# Altium PCB PCB5.PcbDoc (part 9 of 16)
Units mil, origin at the board's own origin, x right, y up, seen from the top; angles counter-clockwise.
Board outline 9210.27 x 4350.4 mil, 4 copper layers (Top Layer, Layer 1, Layer 2, Bottom Layer), stack 23.756 mil thick; 1550 components, 1731 nets, 5196 pads, 1890 vias.
Unrouted connection lines stored in the file: 2462.
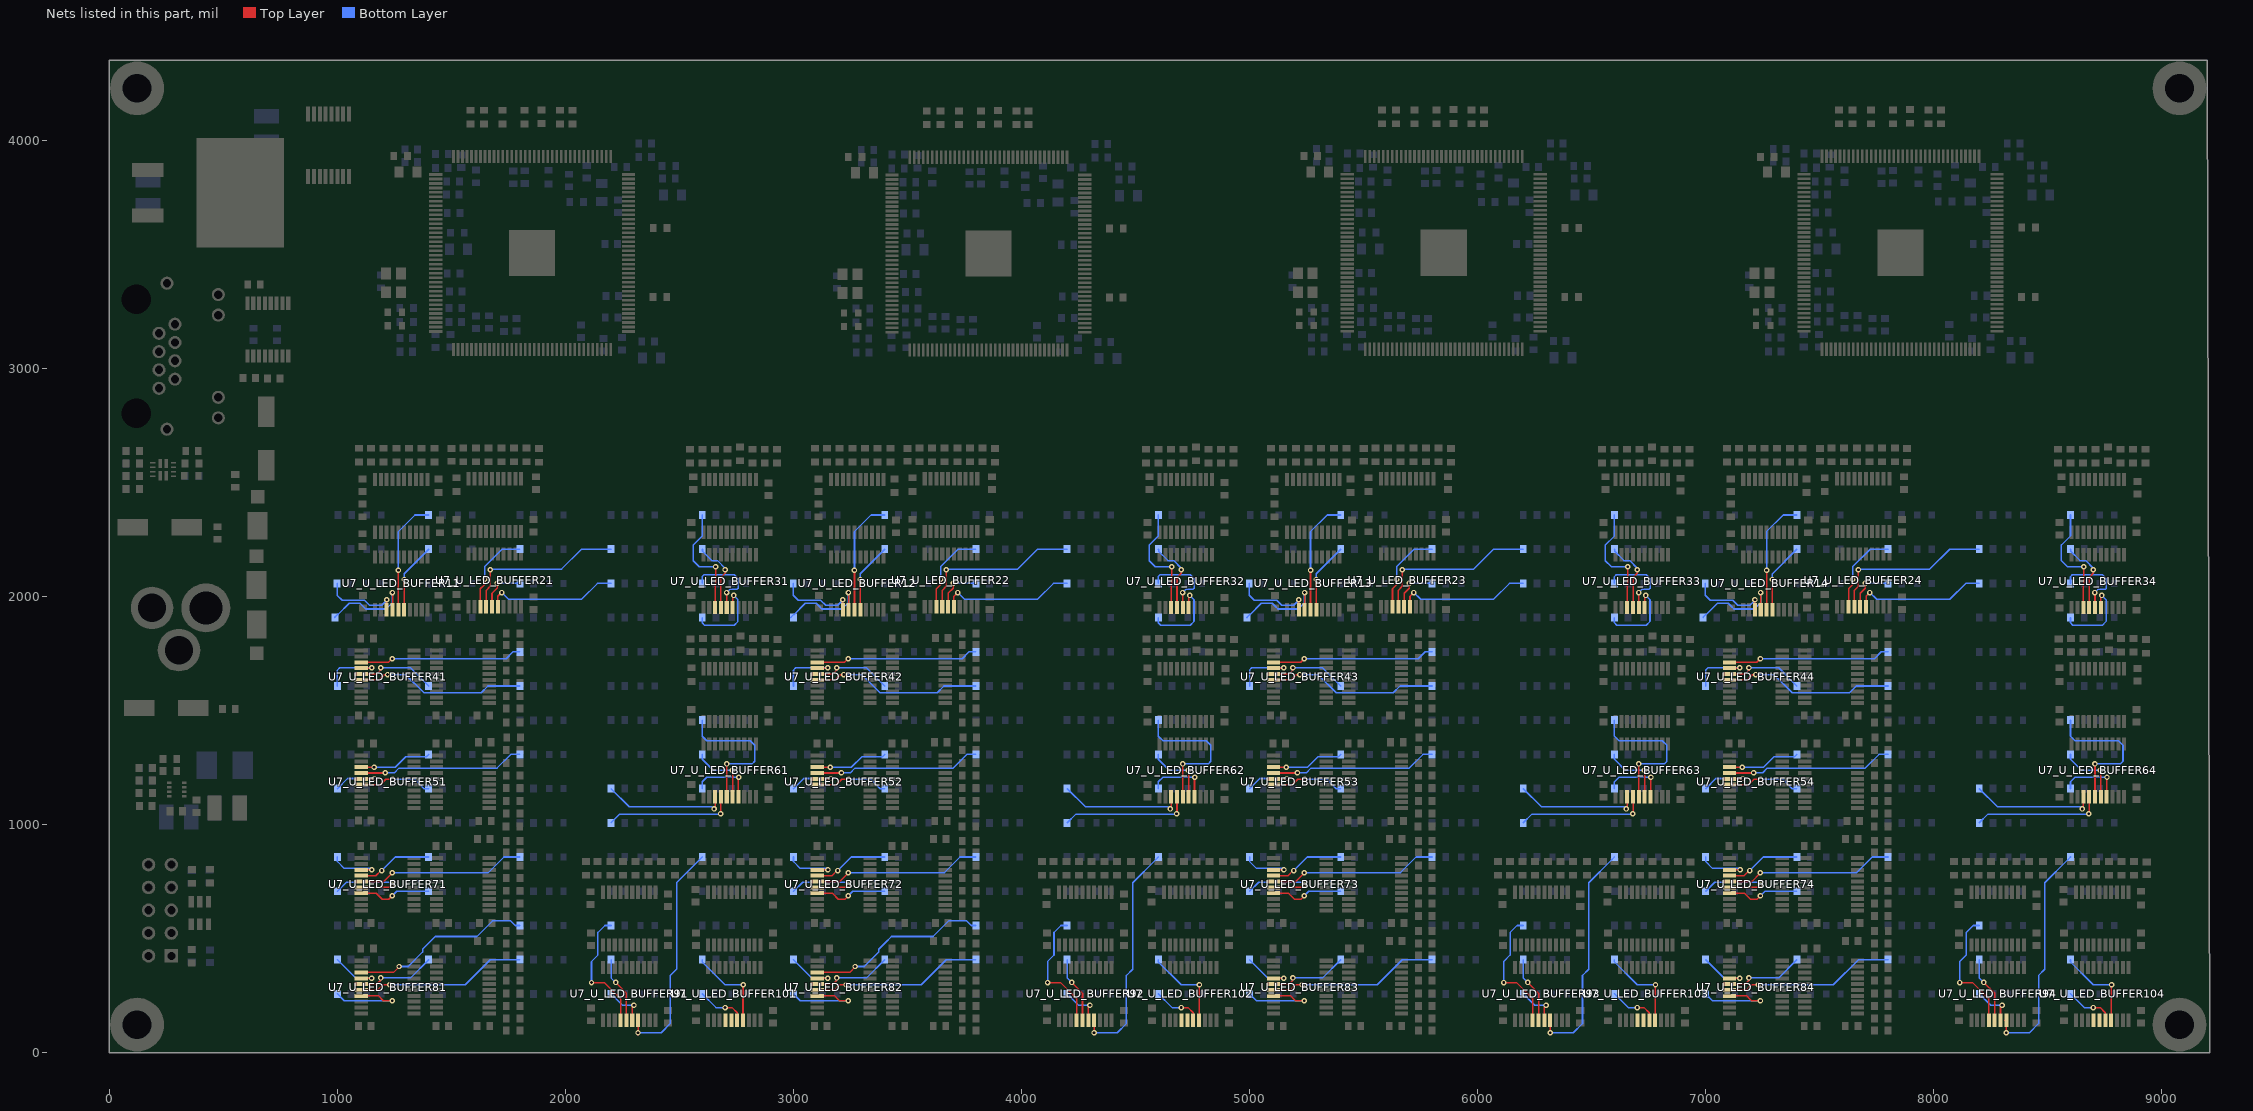
[diagram p11: the nets of this part, all layers, seen from the top]

## Via types
v1: diameter 24, hole 12, Top Layer to Bottom Layer, tented both sides, 1882 vias
v2: diameter 24, hole 12, Top Layer to Bottom Layer, 8 vias

## Nets (pads, with @x,y where several pads share a name; then routed paths per layer and width w, separated by ;. In a path a pad name is that pad's centre, name@x,y a point inside that pad or via, vN(x,y) a via of type N, cw(c..) or ccw(c..) an arc to the next point about the centre after c; other vN are vias at no path point) (continued)
L_OUT2_U_LED_BUFFER61: R17_U_LED_BUFFER61.2 U7_U_LED_BUFFER61.17 | length 284.5
  Top Layer w7: v1@2756.81,1206.78 2759.02,1204.57 U7_U_LED_BUFFER61.17@2759.02,1121.5
  Bottom Layer w7: R17_U_LED_BUFFER61.2@2600.63,1157.16 2600.63,1187.16 2620.63,1207.16 v1(2760.63,1207.16)
L_OUT2_U_LED_BUFFER62: R17_U_LED_BUFFER62.2 U7_U_LED_BUFFER62.17 | length 284.5
  Top Layer w7: v1@4756.81,1206.78 4759.02,1204.57 U7_U_LED_BUFFER62.17@4759.02,1121.5
  Bottom Layer w7: R17_U_LED_BUFFER62.2@4600.63,1157.16 4600.63,1187.16 4620.63,1207.16 v1(4760.63,1207.16)
L_OUT2_U_LED_BUFFER63: R17_U_LED_BUFFER63.2 U7_U_LED_BUFFER63.17 | length 284.5
  Top Layer w7: v1@6756.81,1206.78 6759.02,1204.57 U7_U_LED_BUFFER63.17@6759.02,1121.5
  Bottom Layer w7: R17_U_LED_BUFFER63.2@6600.63,1157.16 6600.63,1187.16 6620.63,1207.16 v1(6760.63,1207.16)
L_OUT2_U_LED_BUFFER64: R17_U_LED_BUFFER64.2 U7_U_LED_BUFFER64.17 | length 284.5
  Top Layer w7: v1@8756.81,1206.78 8759.02,1204.57 U7_U_LED_BUFFER64.17@8759.02,1121.5
  Bottom Layer w7: R17_U_LED_BUFFER64.2@8600.63,1157.16 8600.63,1187.16 8620.63,1207.16 v1(8760.63,1207.16)
L_OUT2_U_LED_BUFFER71: R17_U_LED_BUFFER71.2 U7_U_LED_BUFFER71.17 | length 320.8
  Top Layer w7: U7_U_LED_BUFFER71.17@1104.96,698.78 1171.18,698.78 1197.35,672.61 1226.07,672.61 v1(1240.63,687.16)
  Bottom Layer w7: v1(1240.63,687.16) 1260.63,707.16 R17_U_LED_BUFFER71.2@1400.63,707.16
L_OUT2_U_LED_BUFFER72: R17_U_LED_BUFFER72.2 U7_U_LED_BUFFER72.17 | length 320.8
  Top Layer w7: U7_U_LED_BUFFER72.17@3104.96,698.78 3171.18,698.78 3197.35,672.61 3226.07,672.61 v1(3240.63,687.16)
  Bottom Layer w7: v1(3240.63,687.16) 3260.63,707.16 R17_U_LED_BUFFER72.2@3400.63,707.16
L_OUT2_U_LED_BUFFER73: R17_U_LED_BUFFER73.2 U7_U_LED_BUFFER73.17 | length 320.8
  Top Layer w7: U7_U_LED_BUFFER73.17@5104.96,698.78 5171.18,698.78 5197.35,672.61 5226.07,672.61 v1(5240.63,687.16)
  Bottom Layer w7: v1(5240.63,687.16) 5260.63,707.16 R17_U_LED_BUFFER73.2@5400.63,707.16
L_OUT2_U_LED_BUFFER74: R17_U_LED_BUFFER74.2 U7_U_LED_BUFFER74.17 | length 320.8
  Top Layer w7: U7_U_LED_BUFFER74.17@7104.96,698.78 7171.18,698.78 7197.35,672.61 7226.07,672.61 v1(7240.63,687.16)
  Bottom Layer w7: v1(7240.63,687.16) 7260.63,707.16 R17_U_LED_BUFFER74.2@7400.63,707.16
L_OUT2_U_LED_BUFFER81: R17_U_LED_BUFFER81.2 U7_U_LED_BUFFER81.17 | length 397
  Top Layer w7: U7_U_LED_BUFFER81.17@1104.96,248.78 1180.36,248.78 1201.98,227.16 v1(1240.63,227.16)
  Bottom Layer w7: R17_U_LED_BUFFER81.2@1000.63,257.16 1030.63,227.16 v1(1240.63,227.16)
L_OUT2_U_LED_BUFFER82: R17_U_LED_BUFFER82.2 U7_U_LED_BUFFER82.17 | length 397
  Top Layer w7: U7_U_LED_BUFFER82.17@3104.96,248.78 3180.36,248.78 3201.98,227.16 v1(3240.63,227.16)
  Bottom Layer w7: R17_U_LED_BUFFER82.2@3000.63,257.16 3030.63,227.16 v1(3240.63,227.16)
L_OUT2_U_LED_BUFFER83: R17_U_LED_BUFFER83.2 U7_U_LED_BUFFER83.17 | length 397
  Top Layer w7: U7_U_LED_BUFFER83.17@5104.96,248.78 5180.36,248.78 5201.98,227.16 v1(5240.63,227.16)
  Bottom Layer w7: R17_U_LED_BUFFER83.2@5000.63,257.16 5030.63,227.16 v1(5240.63,227.16)
L_OUT2_U_LED_BUFFER84: R17_U_LED_BUFFER84.2 U7_U_LED_BUFFER84.17 | length 397
  Top Layer w7: U7_U_LED_BUFFER84.17@7104.96,248.78 7180.36,248.78 7201.98,227.16 v1(7240.63,227.16)
  Bottom Layer w7: R17_U_LED_BUFFER84.2@7000.63,257.16 7030.63,227.16 v1(7240.63,227.16)
L_OUT2_U_LED_BUFFER91: R17_U_LED_BUFFER91.2 U7_U_LED_BUFFER91.17 | length 1023.9
  Top Layer w7: U7_U_LED_BUFFER91.17@2312.79,141.5 U7_U_LED_BUFFER91.17@2319.02,141.5 2319.02,78.78 2318.68,79.11 v1(2318.68,86.98)
  Bottom Layer w7: v1(2318.68,86.98) 2420.44,86.98 2460.63,127.16 2460.63,337.64 2487.82,364.83 2487.82,744.35 2589.94,846.47 R17_U_LED_BUFFER91.2@2600.63,857.16
L_OUT2_U_LED_BUFFER92: R17_U_LED_BUFFER92.2 U7_U_LED_BUFFER92.17 | length 1023.9
  Top Layer w7: U7_U_LED_BUFFER92.17@4312.79,141.5 U7_U_LED_BUFFER92.17@4319.02,141.5 4319.02,78.78 4318.68,79.11 v1(4318.68,86.98)
  Bottom Layer w7: v1(4318.68,86.98) 4420.44,86.98 4460.63,127.16 4460.63,337.64 4487.82,364.83 4487.82,744.35 4589.94,846.47 R17_U_LED_BUFFER92.2@4600.63,857.16
L_OUT2_U_LED_BUFFER93: R17_U_LED_BUFFER93.2 U7_U_LED_BUFFER93.17 | length 1023.9
  Top Layer w7: U7_U_LED_BUFFER93.17@6312.79,141.5 U7_U_LED_BUFFER93.17@6319.02,141.5 6319.02,78.78 6318.68,79.11 v1(6318.68,86.98)
  Bottom Layer w7: v1(6318.68,86.98) 6420.44,86.98 6460.63,127.16 6460.63,337.64 6487.82,364.83 6487.82,744.35 6589.94,846.47 R17_U_LED_BUFFER93.2@6600.63,857.16
L_OUT2_U_LED_BUFFER94: R17_U_LED_BUFFER94.2 U7_U_LED_BUFFER94.17 | length 1023.9
  Top Layer w7: U7_U_LED_BUFFER94.17@8312.79,141.5 U7_U_LED_BUFFER94.17@8319.02,141.5 8319.02,78.78 8318.68,79.11 v1(8318.68,86.98)
  Bottom Layer w7: v1(8318.68,86.98) 8420.44,86.98 8460.63,127.16 8460.63,337.64 8487.82,364.83 8487.82,744.35 8589.94,846.47 R17_U_LED_BUFFER94.2@8600.63,857.16
L_OUT2_U_LED_BUFFER101: R17_U_LED_BUFFER101.2 U7_U_LED_BUFFER101.17 | length 387.8
  Top Layer w7: U7_U_LED_BUFFER101.17@2779.02,141.5 2779.02,295.55 v1(2780.63,297.16)
  Bottom Layer w7: R17_U_LED_BUFFER101.2@2600.63,407.16 2600.63,397.16 2700.63,297.16 v1(2780.63,297.16)
L_OUT2_U_LED_BUFFER102: R17_U_LED_BUFFER102.2 U7_U_LED_BUFFER102.17 | length 387.8
  Top Layer w7: U7_U_LED_BUFFER102.17@4779.02,141.5 4779.02,295.55 v1(4780.63,297.16)
  Bottom Layer w7: R17_U_LED_BUFFER102.2@4600.63,407.16 4600.63,397.16 4700.63,297.16 v1(4780.63,297.16)
L_OUT2_U_LED_BUFFER103: R17_U_LED_BUFFER103.2 U7_U_LED_BUFFER103.17 | length 387.8
  Top Layer w7: U7_U_LED_BUFFER103.17@6779.02,141.5 6779.02,295.55 v1(6780.63,297.16)
  Bottom Layer w7: R17_U_LED_BUFFER103.2@6600.63,407.16 6600.63,397.16 6700.63,297.16 v1(6780.63,297.16)
L_OUT2_U_LED_BUFFER104: R17_U_LED_BUFFER104.2 U7_U_LED_BUFFER104.17 | length 387.8
  Top Layer w7: U7_U_LED_BUFFER104.17@8779.02,141.5 8779.02,295.55 v1(8780.63,297.16)
  Bottom Layer w7: R17_U_LED_BUFFER104.2@8600.63,407.16 8600.63,397.16 8700.63,297.16 v1(8780.63,297.16)
L_OUT3_U_LED_BUFFER11: R19_U_LED_BUFFER11.2 U7_U_LED_BUFFER11.16 | length 309.7
  Top Layer w7: U7_U_LED_BUFFER11.16@1293.48,1941.81 v1(1293.48,2074.32)
  Bottom Layer w7: v1(1293.48,2074.32) 1293.48,2100.01 R19_U_LED_BUFFER11.2@1400.63,2207.16
L_OUT3_U_LED_BUFFER12: R19_U_LED_BUFFER12.2 U7_U_LED_BUFFER12.16 | length 309.7
  Top Layer w7: U7_U_LED_BUFFER12.16@3293.48,1941.81 v1(3293.48,2074.32)
  Bottom Layer w7: v1(3293.48,2074.32) 3293.48,2100.01 R19_U_LED_BUFFER12.2@3400.63,2207.16
L_OUT3_U_LED_BUFFER13: R19_U_LED_BUFFER13.2 U7_U_LED_BUFFER13.16 | length 309.7
  Top Layer w7: U7_U_LED_BUFFER13.16@5293.48,1941.81 v1(5293.48,2074.32)
  Bottom Layer w7: v1(5293.48,2074.32) 5293.48,2100.01 R19_U_LED_BUFFER13.2@5400.63,2207.16
L_OUT3_U_LED_BUFFER14: R19_U_LED_BUFFER14.2 U7_U_LED_BUFFER14.16 | length 309.7
  Top Layer w7: U7_U_LED_BUFFER14.16@7293.48,1941.81 v1(7293.48,2074.32)
  Bottom Layer w7: v1(7293.48,2074.32) 7293.48,2100.01 R19_U_LED_BUFFER14.2@7400.63,2207.16
L_OUT3_U_LED_BUFFER21: R19_U_LED_BUFFER21.2 U7_U_LED_BUFFER21.16 | length 590.6
  Top Layer w7: U7_U_LED_BUFFER21.16@1704.02,1954.83 1704.02,2000.56 v1(1720.63,2017.16)
  Bottom Layer w7: v1(1720.63,2017.16) 1750.63,1987.16 2070.63,1987.16 2140.63,2057.16 R19_U_LED_BUFFER21.2@2200.63,2057.16
L_OUT3_U_LED_BUFFER22: R19_U_LED_BUFFER22.2 U7_U_LED_BUFFER22.16 | length 590.6
  Top Layer w7: U7_U_LED_BUFFER22.16@3704.02,1954.83 3704.02,2000.56 v1(3720.63,2017.16)
  Bottom Layer w7: v1(3720.63,2017.16) 3750.63,1987.16 4070.63,1987.16 4140.63,2057.16 R19_U_LED_BUFFER22.2@4200.63,2057.16
L_OUT3_U_LED_BUFFER23: R19_U_LED_BUFFER23.2 U7_U_LED_BUFFER23.16 | length 590.6
  Top Layer w7: U7_U_LED_BUFFER23.16@5704.02,1954.83 5704.02,2000.56 v1(5720.63,2017.16)
  Bottom Layer w7: v1(5720.63,2017.16) 5750.63,1987.16 6070.63,1987.16 6140.63,2057.16 R19_U_LED_BUFFER23.2@6200.63,2057.16
L_OUT3_U_LED_BUFFER24: R19_U_LED_BUFFER24.2 U7_U_LED_BUFFER24.16 | length 590.6
  Top Layer w7: U7_U_LED_BUFFER24.16@7704.02,1954.83 7704.02,2000.56 v1(7720.63,2017.16)
  Bottom Layer w7: v1(7720.63,2017.16) 7750.63,1987.16 8070.63,1987.16 8140.63,2057.16 R19_U_LED_BUFFER24.2@8200.63,2057.16
L_OUT3_U_LED_BUFFER31: R19_U_LED_BUFFER31.2 U7_U_LED_BUFFER31.16 | length 366.5
  Top Layer w7: U7_U_LED_BUFFER31.16@2733.43,1951.5 2733.43,1999.71 v1(2738.14,2004.43)
  Bottom Layer w7: R19_U_LED_BUFFER31.2@2600.63,1907.16 2600.63,1884.18 2610.63,1874.18 2740.53,1874.18 2756.69,1890.34 2756.69,1985.88 v1(2738.14,2004.43)
L_OUT3_U_LED_BUFFER32: R19_U_LED_BUFFER32.2 U7_U_LED_BUFFER32.16 | length 366.5
  Top Layer w7: U7_U_LED_BUFFER32.16@4733.43,1951.5 4733.43,1999.71 v1(4738.14,2004.43)
  Bottom Layer w7: R19_U_LED_BUFFER32.2@4600.63,1907.16 4600.63,1884.18 4610.63,1874.18 4740.53,1874.18 4756.69,1890.34 4756.69,1985.88 v1(4738.14,2004.43)
L_OUT3_U_LED_BUFFER33: R19_U_LED_BUFFER33.2 U7_U_LED_BUFFER33.16 | length 366.5
  Top Layer w7: U7_U_LED_BUFFER33.16@6733.43,1951.5 6733.43,1999.71 v1(6738.14,2004.43)
  Bottom Layer w7: R19_U_LED_BUFFER33.2@6600.63,1907.16 6600.63,1884.18 6610.63,1874.18 6740.53,1874.18 6756.69,1890.34 6756.69,1985.88 v1(6738.14,2004.43)
L_OUT3_U_LED_BUFFER34: R19_U_LED_BUFFER34.2 U7_U_LED_BUFFER34.16 | length 366.5
  Top Layer w7: U7_U_LED_BUFFER34.16@8733.43,1951.5 8733.43,1999.71 v1(8738.14,2004.43)
  Bottom Layer w7: R19_U_LED_BUFFER34.2@8600.63,1907.16 8600.63,1884.18 8610.63,1874.18 8740.53,1874.18 8756.69,1890.34 8756.69,1985.88 v1(8738.14,2004.43)
L_OUT3_U_LED_BUFFER41: R19_U_LED_BUFFER41.2 U7_U_LED_BUFFER41.16 | length 750.2
  Top Layer w7: U7_U_LED_BUFFER41.16@1104.96,1634.37 1182.61,1634.37 1205.4,1657.16 v1(1220.63,1657.16)
  Bottom Layer w7: v1(1220.63,1657.16) 1300.63,1657.16 1380.1,1577.69 1631.16,1577.69 1660.63,1607.16 R19_U_LED_BUFFER41.2@1800.63,1607.16
L_OUT3_U_LED_BUFFER42: R19_U_LED_BUFFER42.2 U7_U_LED_BUFFER42.16 | length 750.2
  Top Layer w7: U7_U_LED_BUFFER42.16@3104.96,1634.37 3182.61,1634.37 3205.4,1657.16 v1(3220.63,1657.16)
  Bottom Layer w7: v1(3220.63,1657.16) 3300.63,1657.16 3380.1,1577.69 3631.16,1577.69 3660.63,1607.16 R19_U_LED_BUFFER42.2@3800.63,1607.16
L_OUT3_U_LED_BUFFER43: R19_U_LED_BUFFER43.2 U7_U_LED_BUFFER43.16 | length 750.2
  Top Layer w7: U7_U_LED_BUFFER43.16@5104.96,1634.37 5182.61,1634.37 5205.4,1657.16 v1(5220.63,1657.16)
  Bottom Layer w7: v1(5220.63,1657.16) 5300.63,1657.16 5380.1,1577.69 5631.16,1577.69 5660.63,1607.16 R19_U_LED_BUFFER43.2@5800.63,1607.16
L_OUT3_U_LED_BUFFER44: R19_U_LED_BUFFER44.2 U7_U_LED_BUFFER44.16 | length 750.2
  Top Layer w7: U7_U_LED_BUFFER44.16@7104.96,1634.37 7182.61,1634.37 7205.4,1657.16 v1(7220.63,1657.16)
  Bottom Layer w7: v1(7220.63,1657.16) 7300.63,1657.16 7380.1,1577.69 7631.16,1577.69 7660.63,1607.16 R19_U_LED_BUFFER44.2@7800.63,1607.16
L_OUT3_U_LED_BUFFER51: R19_U_LED_BUFFER51.2 U7_U_LED_BUFFER51.16 | length 323
  Top Layer w7: U7_U_LED_BUFFER51.16@1104.96,1174.37 1187.84,1174.37 1212.22,1198.76 v1(1243.11,1198.76)
  Bottom Layer w7: v1(1243.11,1198.76) 1339.04,1198.76 1340.63,1197.16 1380.63,1157.16 R19_U_LED_BUFFER51.2@1400.63,1157.16
L_OUT3_U_LED_BUFFER52: R19_U_LED_BUFFER52.2 U7_U_LED_BUFFER52.16 | length 323
  Top Layer w7: U7_U_LED_BUFFER52.16@3104.96,1174.37 3187.84,1174.37 3212.22,1198.76 v1(3243.11,1198.76)
  Bottom Layer w7: v1(3243.11,1198.76) 3339.04,1198.76 3340.63,1197.16 3380.63,1157.16 R19_U_LED_BUFFER52.2@3400.63,1157.16
L_OUT3_U_LED_BUFFER53: R19_U_LED_BUFFER53.2 U7_U_LED_BUFFER53.16 | length 323
  Top Layer w7: U7_U_LED_BUFFER53.16@5104.96,1174.37 5187.84,1174.37 5212.22,1198.76 v1(5243.11,1198.76)
  Bottom Layer w7: v1(5243.11,1198.76) 5339.04,1198.76 5340.63,1197.16 5380.63,1157.16 R19_U_LED_BUFFER53.2@5400.63,1157.16
L_OUT3_U_LED_BUFFER54: R19_U_LED_BUFFER54.2 U7_U_LED_BUFFER54.16 | length 323
  Top Layer w7: U7_U_LED_BUFFER54.16@7104.96,1174.37 7187.84,1174.37 7212.22,1198.76 v1(7243.11,1198.76)
  Bottom Layer w7: v1(7243.11,1198.76) 7339.04,1198.76 7340.63,1197.16 7380.63,1157.16 R19_U_LED_BUFFER54.2@7400.63,1157.16
L_OUT3_U_LED_BUFFER61: R19_U_LED_BUFFER61.2 U7_U_LED_BUFFER61.16 | length 289.6
  Top Layer w7: v1(2731.81,1237.73) 2731.81,1235.99 2733.43,1234.37 U7_U_LED_BUFFER61.16@2733.43,1121.5
  Bottom Layer w7: R19_U_LED_BUFFER61.2@2600.63,1307.16 2600.63,1285.45 2648.36,1237.73 v1(2731.81,1237.73)
L_OUT3_U_LED_BUFFER62: R19_U_LED_BUFFER62.2 U7_U_LED_BUFFER62.16 | length 289.6
  Top Layer w7: v1(4731.81,1237.73) 4731.81,1235.99 4733.43,1234.37 U7_U_LED_BUFFER62.16@4733.43,1121.5
  Bottom Layer w7: R19_U_LED_BUFFER62.2@4600.63,1307.16 4600.63,1285.45 4648.36,1237.73 v1(4731.81,1237.73)
L_OUT3_U_LED_BUFFER63: R19_U_LED_BUFFER63.2 U7_U_LED_BUFFER63.16 | length 289.6
  Top Layer w7: v1(6731.81,1237.73) 6731.81,1235.99 6733.43,1234.37 U7_U_LED_BUFFER63.16@6733.43,1121.5
  Bottom Layer w7: R19_U_LED_BUFFER63.2@6600.63,1307.16 6600.63,1285.45 6648.36,1237.73 v1(6731.81,1237.73)
L_OUT3_U_LED_BUFFER64: R19_U_LED_BUFFER64.2 U7_U_LED_BUFFER64.16 | length 289.6
  Top Layer w7: v1(8731.81,1237.73) 8731.81,1235.99 8733.43,1234.37 U7_U_LED_BUFFER64.16@8733.43,1121.5
  Bottom Layer w7: R19_U_LED_BUFFER64.2@8600.63,1307.16 8600.63,1285.45 8648.36,1237.73 v1(8731.81,1237.73)
L_OUT3_U_LED_BUFFER71: R19_U_LED_BUFFER71.2 U7_U_LED_BUFFER71.16 | length 401.7
  Top Layer w7: U7_U_LED_BUFFER71.16@1104.96,724.37 1227.84,724.37 v1(1240.63,737.16)
  Bottom Layer w7: R19_U_LED_BUFFER71.2@1000.63,707.16 1040.63,747.16 1230.63,747.16 v1(1240.63,737.16)
L_OUT3_U_LED_BUFFER72: R19_U_LED_BUFFER72.2 U7_U_LED_BUFFER72.16 | length 401.7
  Top Layer w7: U7_U_LED_BUFFER72.16@3104.96,724.37 3227.84,724.37 v1(3240.63,737.16)
  Bottom Layer w7: R19_U_LED_BUFFER72.2@3000.63,707.16 3040.63,747.16 3230.63,747.16 v1(3240.63,737.16)
L_OUT3_U_LED_BUFFER73: R19_U_LED_BUFFER73.2 U7_U_LED_BUFFER73.16 | length 401.7
  Top Layer w7: U7_U_LED_BUFFER73.16@5104.96,724.37 5227.84,724.37 v1(5240.63,737.16)
  Bottom Layer w7: R19_U_LED_BUFFER73.2@5000.63,707.16 5040.63,747.16 5230.63,747.16 v1(5240.63,737.16)
L_OUT3_U_LED_BUFFER74: R19_U_LED_BUFFER74.2 U7_U_LED_BUFFER74.16 | length 401.7
  Top Layer w7: U7_U_LED_BUFFER74.16@7104.96,724.37 7227.84,724.37 v1(7240.63,737.16)
  Bottom Layer w7: R19_U_LED_BUFFER74.2@7000.63,707.16 7040.63,747.16 7230.63,747.16 v1(7240.63,737.16)
L_OUT3_U_LED_BUFFER81: R19_U_LED_BUFFER81.2 U7_U_LED_BUFFER81.16 | length 750.5
  Top Layer w7: U7_U_LED_BUFFER81.16@1104.96,274.37 1177.84,274.37 1200.63,297.16 v1@1230.63,297.16
  Bottom Layer w7: v1(1230.79,297.26) 1560.73,297.26 1670.63,407.16 R19_U_LED_BUFFER81.2@1800.63,407.16
L_OUT3_U_LED_BUFFER82: R19_U_LED_BUFFER82.2 U7_U_LED_BUFFER82.16 | length 750.5
  Top Layer w7: U7_U_LED_BUFFER82.16@3104.96,274.37 3177.84,274.37 3200.63,297.16 v1@3230.63,297.16
  Bottom Layer w7: v1(3230.79,297.26) 3560.73,297.26 3670.63,407.16 R19_U_LED_BUFFER82.2@3800.63,407.16
L_OUT3_U_LED_BUFFER83: R19_U_LED_BUFFER83.2 U7_U_LED_BUFFER83.16 | length 750.5
  Top Layer w7: U7_U_LED_BUFFER83.16@5104.96,274.37 5177.84,274.37 5200.63,297.16 v1@5230.63,297.16
  Bottom Layer w7: v1(5230.79,297.26) 5560.73,297.26 5670.63,407.16 R19_U_LED_BUFFER83.2@5800.63,407.16
L_OUT3_U_LED_BUFFER84: R19_U_LED_BUFFER84.2 U7_U_LED_BUFFER84.16 | length 750.5
  Top Layer w7: U7_U_LED_BUFFER84.16@7104.96,274.37 7177.84,274.37 7200.63,297.16 v1@7230.63,297.16
  Bottom Layer w7: v1(7230.79,297.26) 7560.73,297.26 7670.63,407.16 R19_U_LED_BUFFER84.2@7800.63,407.16
L_OUT3_U_LED_BUFFER91: R19_U_LED_BUFFER91.2 U7_U_LED_BUFFER91.16 | length 189.4
  Top Layer w7: U7_U_LED_BUFFER91.16@2293.43,141.5 2293.43,199.96 v1(2300.63,207.16)
  Bottom Layer w7: R19_U_LED_BUFFER91.2@2200.63,257.16 2250.63,207.16 v1(2300.63,207.16)
L_OUT3_U_LED_BUFFER92: R19_U_LED_BUFFER92.2 U7_U_LED_BUFFER92.16 | length 189.4
  Top Layer w7: U7_U_LED_BUFFER92.16@4293.43,141.5 4293.43,199.96 v1(4300.63,207.16)
  Bottom Layer w7: R19_U_LED_BUFFER92.2@4200.63,257.16 4250.63,207.16 v1(4300.63,207.16)
L_OUT3_U_LED_BUFFER93: R19_U_LED_BUFFER93.2 U7_U_LED_BUFFER93.16 | length 189.4
  Top Layer w7: U7_U_LED_BUFFER93.16@6293.43,141.5 6293.43,199.96 v1(6300.63,207.16)
  Bottom Layer w7: R19_U_LED_BUFFER93.2@6200.63,257.16 6250.63,207.16 v1(6300.63,207.16)
L_OUT3_U_LED_BUFFER94: R19_U_LED_BUFFER94.2 U7_U_LED_BUFFER94.16 | length 189.4
  Top Layer w7: U7_U_LED_BUFFER94.16@8293.43,141.5 8293.43,199.96 v1(8300.63,207.16)
  Bottom Layer w7: R19_U_LED_BUFFER94.2@8200.63,257.16 8250.63,207.16 v1(8300.63,207.16)
L_OUT3_U_LED_BUFFER101: R19_U_LED_BUFFER101.2 U7_U_LED_BUFFER101.16 | length 220
  Top Layer w7: v1(2700.63,197.16) 2730.63,197.16 2753.43,174.37 U7_U_LED_BUFFER101.16@2753.43,141.5
  Bottom Layer w7: R19_U_LED_BUFFER101.2@2600.63,257.16 2660.63,197.16 v1(2700.63,197.16)
L_OUT3_U_LED_BUFFER102: R19_U_LED_BUFFER102.2 U7_U_LED_BUFFER102.16 | length 220
  Top Layer w7: v1(4700.63,197.16) 4730.63,197.16 4753.43,174.37 U7_U_LED_BUFFER102.16@4753.43,141.5
  Bottom Layer w7: R19_U_LED_BUFFER102.2@4600.63,257.16 4660.63,197.16 v1(4700.63,197.16)
L_OUT3_U_LED_BUFFER103: R19_U_LED_BUFFER103.2 U7_U_LED_BUFFER103.16 | length 220
  Top Layer w7: v1(6700.63,197.16) 6730.63,197.16 6753.43,174.37 U7_U_LED_BUFFER103.16@6753.43,141.5
  Bottom Layer w7: R19_U_LED_BUFFER103.2@6600.63,257.16 6660.63,197.16 v1(6700.63,197.16)
L_OUT3_U_LED_BUFFER104: R19_U_LED_BUFFER104.2 U7_U_LED_BUFFER104.16 | length 220
  Top Layer w7: v1(8700.63,197.16) 8730.63,197.16 8753.43,174.37 U7_U_LED_BUFFER104.16@8753.43,141.5
  Bottom Layer w7: R19_U_LED_BUFFER104.2@8600.63,257.16 8660.63,197.16 v1(8700.63,197.16)
L_OUT4_U_LED_BUFFER11: R22_U_LED_BUFFER11.2 U7_U_LED_BUFFER11.15 | length 505.5
  Top Layer w7: U7_U_LED_BUFFER11.15@1267.89,1941.81 v1(1267.89,2114.42)
  Bottom Layer w7: v1(1267.89,2114.42) 1267.89,2284.42 1340.63,2357.16 R22_U_LED_BUFFER11.2@1400.63,2357.16
L_OUT4_U_LED_BUFFER12: R22_U_LED_BUFFER12.2 U7_U_LED_BUFFER12.15 | length 505.5
  Top Layer w7: U7_U_LED_BUFFER12.15@3267.89,1941.81 v1(3267.89,2114.42)
  Bottom Layer w7: v1(3267.89,2114.42) 3267.89,2284.42 3340.63,2357.16 R22_U_LED_BUFFER12.2@3400.63,2357.16
L_OUT4_U_LED_BUFFER13: R22_U_LED_BUFFER13.2 U7_U_LED_BUFFER13.15 | length 505.5
  Top Layer w7: U7_U_LED_BUFFER13.15@5267.89,1941.81 v1(5267.89,2114.42)
  Bottom Layer w7: v1(5267.89,2114.42) 5267.89,2284.42 5340.63,2357.16 R22_U_LED_BUFFER13.2@5400.63,2357.16
L_OUT4_U_LED_BUFFER14: R22_U_LED_BUFFER14.2 U7_U_LED_BUFFER14.15 | length 505.5
  Top Layer w7: U7_U_LED_BUFFER14.15@7267.89,1941.81 v1(7267.89,2114.42)
  Bottom Layer w7: v1(7267.89,2114.42) 7267.89,2284.42 7340.63,2357.16 R22_U_LED_BUFFER14.2@7400.63,2357.16
L_OUT4_U_LED_BUFFER21: R22_U_LED_BUFFER21.2 U7_U_LED_BUFFER21.15 | length 211.5
  Top Layer w7: U7_U_LED_BUFFER21.15@1678.43,1954.83 1678.43,2013.47 1700.63,2035.67 v1(1700.63,2057.16)
  Bottom Layer w7: v1(1700.63,2057.16) R22_U_LED_BUFFER21.2@1800.63,2057.16
L_OUT4_U_LED_BUFFER22: R22_U_LED_BUFFER22.2 U7_U_LED_BUFFER22.15 | length 211.5
  Top Layer w7: U7_U_LED_BUFFER22.15@3678.43,1954.83 3678.43,2013.47 3700.63,2035.67 v1(3700.63,2057.16)
  Bottom Layer w7: v1(3700.63,2057.16) R22_U_LED_BUFFER22.2@3800.63,2057.16
L_OUT4_U_LED_BUFFER23: R22_U_LED_BUFFER23.2 U7_U_LED_BUFFER23.15 | length 211.5
  Top Layer w7: U7_U_LED_BUFFER23.15@5678.43,1954.83 5678.43,2013.47 5700.63,2035.67 v1(5700.63,2057.16)
  Bottom Layer w7: v1(5700.63,2057.16) R22_U_LED_BUFFER23.2@5800.63,2057.16
L_OUT4_U_LED_BUFFER24: R22_U_LED_BUFFER24.2 U7_U_LED_BUFFER24.15 | length 211.5
  Top Layer w7: U7_U_LED_BUFFER24.15@7678.43,1954.83 7678.43,2013.47 7700.63,2035.67 v1(7700.63,2057.16)
  Bottom Layer w7: v1(7700.63,2057.16) R22_U_LED_BUFFER24.2@7800.63,2057.16
L_OUT4_U_LED_BUFFER31: R22_U_LED_BUFFER31.2 U7_U_LED_BUFFER31.15 | length 363.6
  Top Layer w7: v1(2706.94,2016.96) 2707.84,2016.06 U7_U_LED_BUFFER31.15@2707.84,1951.5
  Bottom Layer w7: R22_U_LED_BUFFER31.2@2600.63,2057.16 2600.63,2087.16 2608.13,2094.66 2740.56,2094.66 2758.06,2077.16 2758.06,2036.42 2752.55,2030.9 2720.88,2030.9 v1(2706.94,2016.96)
L_OUT4_U_LED_BUFFER32: R22_U_LED_BUFFER32.2 U7_U_LED_BUFFER32.15 | length 363.6
  Top Layer w7: v1(4706.94,2016.96) 4707.84,2016.06 U7_U_LED_BUFFER32.15@4707.84,1951.5
  Bottom Layer w7: R22_U_LED_BUFFER32.2@4600.63,2057.16 4600.63,2087.16 4608.13,2094.66 4740.56,2094.66 4758.06,2077.16 4758.06,2036.42 4752.55,2030.9 4720.88,2030.9 v1(4706.94,2016.96)
L_OUT4_U_LED_BUFFER33: R22_U_LED_BUFFER33.2 U7_U_LED_BUFFER33.15 | length 363.6
  Top Layer w7: v1(6706.94,2016.96) 6707.84,2016.06 U7_U_LED_BUFFER33.15@6707.84,1951.5
  Bottom Layer w7: R22_U_LED_BUFFER33.2@6600.63,2057.16 6600.63,2087.16 6608.13,2094.66 6740.56,2094.66 6758.06,2077.16 6758.06,2036.42 6752.55,2030.9 6720.88,2030.9 v1(6706.94,2016.96)
L_OUT4_U_LED_BUFFER34: R22_U_LED_BUFFER34.2 U7_U_LED_BUFFER34.15 | length 363.6
  Top Layer w7: v1(8706.94,2016.96) 8707.84,2016.06 U7_U_LED_BUFFER34.15@8707.84,1951.5
  Bottom Layer w7: R22_U_LED_BUFFER34.2@8600.63,2057.16 8600.63,2087.16 8608.13,2094.66 8740.56,2094.66 8758.06,2077.16 8758.06,2036.42 8752.55,2030.9 8720.88,2030.9 v1(8706.94,2016.96)
L_OUT4_U_LED_BUFFER41: R22_U_LED_BUFFER41.2 U7_U_LED_BUFFER41.15 | length 335.9
  Top Layer w7: U7_U_LED_BUFFER41.15@1104.96,1659.96 1173.43,1659.96 v1@1190.63,1677.16
  Bottom Layer w7: v1(1190.63,1687.16) 1320.63,1687.16 R22_U_LED_BUFFER41.2@1400.63,1607.16
L_OUT4_U_LED_BUFFER42: R22_U_LED_BUFFER42.2 U7_U_LED_BUFFER42.15 | length 335.9
  Top Layer w7: U7_U_LED_BUFFER42.15@3104.96,1659.96 3173.43,1659.96 v1@3190.63,1677.16
  Bottom Layer w7: v1(3190.63,1687.16) 3320.63,1687.16 R22_U_LED_BUFFER42.2@3400.63,1607.16